# KiCad board PC110.kicad_pcb (continued)
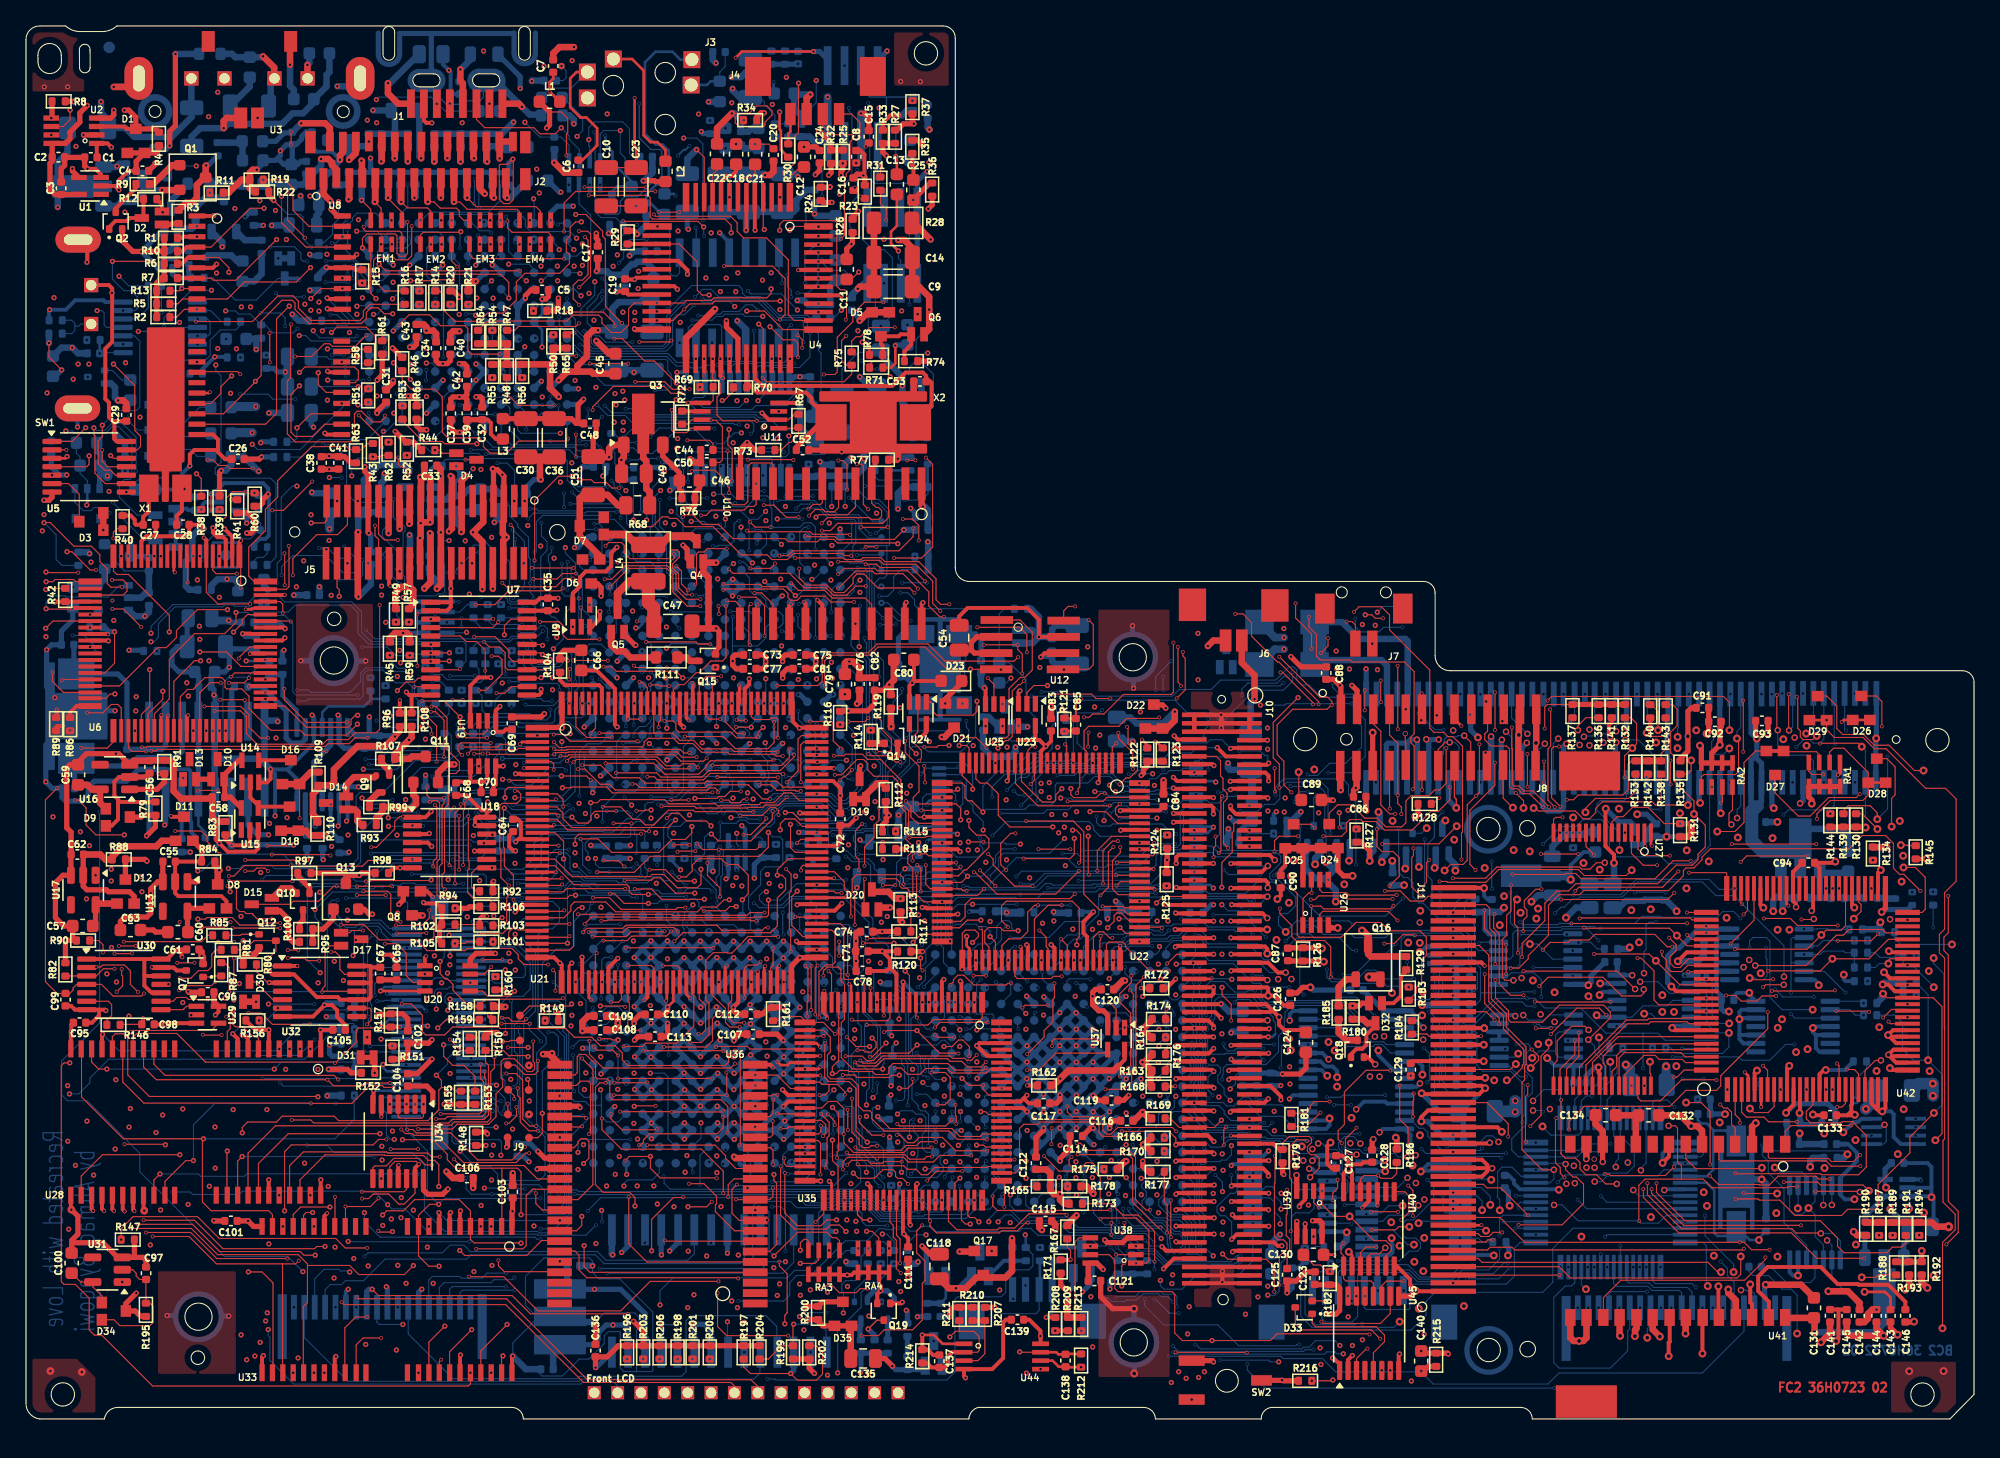
[diagram p0: board, top side]
## Routing (per net, layer and track width the routed paths; a pad name or vN(x,y) marks a point on that pad's centre or on a via; arc(x,y) is an arc through that point) (continued)
  BC1 w0.08: v7(111.19,34.05) 110.87,34.05 110.73,33.91 v7(109.12,33.91) ; v7(108.65,32.44) 108.65,30.16 108.59,30.1 v7(108.59,28.63) ; v7(108.57,25.02) 108.57,17.97 108.16,17.56 106.8,17.56 106.55,17.31 v2(106.55,14.81)
  BC2 w0.08: v7(108.65,32.44) 108.96,32.44 109.12,32.6 v7(109.12,33.91) ; v7(108.57,25.02) 108.49,25.1 108.49,26.26 108.59,26.36 v7(108.59,28.63)
Net-(U35-SA13): length 28.8
  FC2 w0.08: v3(73.92,27.07) 73.73,26.88 71.52,26.88 71.01,27.39 66.78,27.39 66.47,27.08 66.47,26.67 66.34,26.54 65.43,26.54 65.2,26.77 63.41,26.77 63.33,26.85 62.66,26.85 62.42,26.61 v1(62.11,26.61) 62.11,27.14 62.6,27.63 62.6,32.06 U35.23 ; U37.4 83.05,28.19 79.32,28.19 78.01,26.88 v3(77.12,26.88)
  FC1 w0.08: v3(77.12,26.88) 76.93,27.07 v3(73.92,27.07)
Net-(U38-Pad5): length 181.6
  FC2 w0.08: v3(42.73,62.53) 42.77,62.49 U9.2 ; v3(34.64,62.75) 36.11,62.75 37.18,63.82 41.15,63.82 v3(41.34,64.01) ; v3(80.8,8.52) 80.8,13.65 81.11,13.96 U38.5 ; v3(27.24,62.73) 27.24,53.15 26.97,52.88 25.35,52.88 24.82,52.35 23.22,52.35 22.87,52 17.81,52 16.98,52.83 16.98,54.12 16.53,54.57 v3(14.53,54.57)
  FC1 w0.08: v3(27.24,62.73) 27.26,62.75 v3(34.64,62.75) ; v1(7.94,22.49) 8.68,23.23 8.68,32.03 8.11,32.6 8.11,34.65 8.9,35.44 8.9,38.25 8.56,38.59 8.56,40.84 9.98,42.26 9.98,47.44 11.41,48.87 11.41,52.57 13.1,54.26 13.1,54.99 13.36,55.25 13.85,55.25 v3(14.53,54.57) ; v3(80.8,8.52) 78.64,8.52 77.06,6.94 v1(77.06,3.53) ; v3(42.73,62.53) 42,63.26 42,63.35 v3(41.34,64.01)
  BC1 w0.08: 77.05,3.53 v1(77.06,3.53) 76.28,2.75 11.12,2.75 7.94,5.93 v1(7.94,22.49)
Net-(U40A-C): length 45.1
  FC2 w0.08: v3(103.49,6.51) 103.44,6.56 96.36,6.56 95.84,6.04 v1(91.35,6.04) 89.07,6.04 88.48,6.63 88.48,9.61 88.28,9.81 84.12,9.81 83.87,10.06 83.87,12.23 83.44,12.66 U38.7 ; v3(99.58,16.28) 99.18,16.68 U39.2 ; U40.3 102.79,12.82 103.22,13.25 v3(104.02,13.25)
  FC1 w0.08: v3(99.58,16.28) 102.03,16.28 102.68,15.63 103.43,15.63 104.03,15.03 104.03,13.26 v3(104.02,13.25) 104.02,7.04 v3(103.49,6.51)
Net-(U40A-~{Q}): length 18.5
  FC2 w0.08: C125.2 97.14,12.74 97.34,12.94 97.34,13.86 97.07,14.13 97.07,15.73 97.14,15.8 v3(97.14,17.67) ; v3(99.83,17.56) 99.83,16.53 100.75,15.61 v2(101.96,15.61) 103.83,13.74 104.75,13.74 105.17,13.32 105.17,13 104.74,12.57 U40.6
  FC1 w0.08: v3(97.14,17.67) 99.72,17.67 v3(99.83,17.56)
Net-(U40B-~{Q}): length 11
  FC2 w0.08: v3(106.12,10.62) 104.78,10.62 104.44,10.28 104.44,9.46 ; U40.8 106.19,17.51 106.52,17.18 106.52,15.92 v3(105.94,15.34)
  FC1 w0.08: v3(106.12,10.62) 106.12,10.63 106.36,10.87 106.36,13.68 105.94,14.1 v3(105.94,15.34)
Net-(U41-Cext2): length 16.2
  FC2 w0.5: 138.96,7.47 138.96,6.61 v2(138.26,5.91) ; U41.20 125.3,6.9 v2(125.85,6.35)
  FC1 w0.5: v2(138.26,5.91) 138.14,5.79 126.41,5.79 v2(125.85,6.35)
Net-(U41-Cext3): length 23
  FC2 w0.3: U41.21 126.61,7.81 126.61,5.95 126.53,5.87 v2(126.53,4.84)
  FC2 w0.4: 143.61,7.47 143.61,7.04 v2(144.16,6.49)
  FC1 w0.3: v2(144.16,6.49) 143.31,5.64 139.95,5.64 138.63,4.32 127.05,4.32 v2(126.53,4.84)
Net-(U41-Cext4): length 18.7
  FC2 w0.5: v2(127.83,6.58) 127.83,7.8 U41.22 ; 141.23,7.47 141.62,7.47 141.88,7.73 141.88,8.1 142.22,8.44 v3(142.54,8.44)
  FC1 w0.5: v2(127.83,6.58) 129.1,7.85 141.95,7.85 v3(142.54,8.44)
Net-(U41-Cext5): length 17.3
  FC2 w0.3: 139.54,6.12 139.54,6.16 ; 139.54,6.12 139.61,6.19 139.61,8.38 139.57,8.42 ; 139.54,6.12 v2(139.42,6) ; 139.57,8.42 139.56,8.44 138.96,8.44 ; 139.57,8.42 139.58,8.44 140.24,8.44 ; U41.23 129.13,7.8 v2(129.13,5.04)
  FC1 w0.3: v2(129.13,5.04) 138.46,5.04 v2(139.42,6)
Net-(U41-Cext6): length 21.4
  FC2 w0.08: 145.39,7.47 v2(145.43,7.5)
  FC2 w0.3: v2(130.36,10.22) 130.36,7.86 U41.24
  FC2 w0.4: 144.76,7.47 145.39,7.47
  FC1 w0.3: v2(145.43,7.5) 145.43,8.07 141.91,11.59 138.3,11.59 136.99,10.28 135.31,10.28 134.5,11.09 132.43,11.09 131.87,10.53 130.67,10.53 v2(130.36,10.22)
Net-(U41-Cext7): length 14.2
  FC2 w0.5: v2(131.12,9.98) 131.12,9.72 131.7,9.14 U41.25 ; 141.23,8.44 141.23,8.95 140.34,9.84 v2(138.83,9.84)
  FC1 w0.5: v2(138.83,9.84) 137.96,8.97 132.13,8.97 v2(131.12,9.98)
Net-(U41-Cext8): length 15.7
  FC2 w0.2: v2(141.62,9.79) 143.19,9.79 143.61,9.37 143.61,8.44
  FC2 w0.3: U41.26 132.95,8.84 132.81,8.98 v2(132.81,10.37) ; 132.9,7.77 132.84,7.77
  FC1 w0.3: v2(141.62,9.79) 140.82,9.79 139.87,10.74 138.46,10.74 137.4,9.68 133.5,9.68 v2(132.81,10.37)
Net-(U41-Cext9): length 16.9
  FC2 w0.3: U41.27 134.25,9.03 133.42,9.86 133.42,10.98 134.15,11.71 138.24,11.71 139.55,10.4 141.1,10.4 141.16,10.34 143.45,10.34 144.76,9.03 144.76,8.44
Net-(U41-CS): length 33.5
  FC2 w0.08: U41.7 127.85,20.05 128.61,19.29 133.64,19.29 v2(133.71,19.36) ; U42.55 141.15,39.85 141.34,39.66 141.34,39.1 v2(140.79,38.55)
  IC2 w0.08: v2(133.71,19.36) 133.71,22.22 134.38,22.89 134.38,23.39 135.3,24.31 135.3,25.31 137.72,27.73 139.32,27.73 141.4,29.81 141.4,36.77 140.79,37.38 v2(140.79,38.55)
Net-(U41-PD): length 28.7
  FC2 w0.08: U41.4 131.65,22.42 131.37,22.7 131.37,23.65 131.06,23.96 130.77,23.96 v3(130.5,24.23) ; v3(131.65,36.2) 137.19,36.2 v2(138.29,37.3) 138.65,37.66 139.81,37.66 140.15,38 U42.57
  FC1 w0.08: v3(130.5,24.23) 130.33,24.4 130.33,25.72 130.57,25.96 130.57,31.62 130.9,31.95 131.36,31.95 131.65,32.24 v3(131.65,36.2)
Net-(U41-SCLK1): length 35.7
  FC2 w0.08: U41.5 130.4,20.01 130.58,19.83 130.64,19.89 138.65,19.89 139.06,19.48 141.28,19.48 v3(141.29,19.49)
  FC1 w0.08: v3(142.15,40.89) 142.37,40.67 142.37,34.38 141.66,33.67 ; 141.66,33.67 142.35,34.36 ; 141.66,33.67 141.66,24.93 142.26,24.33 142.26,20.46 v3(141.29,19.49)
Net-(U41-SI0): length 25.5
  FC2 w0.08: U41.1 135.5,22.15 135.96,22.61 v3(140.58,22.61)
  FC1 w0.08: v3(140.58,22.61) 140.41,22.78 140.41,23.84 140.85,24.28 140.85,28.45 140.61,28.69 140.61,35.34 139.2,36.75 139.2,39.62 139.26,39.68 139.26,40.78 v3(139.15,40.89)
Net-(U41-SI1): length 30
  FC2 w0.08: U41.2 134.2,20.19 134.31,20.08 138.82,20.08 139.06,19.84 140.77,19.84 v3(141.27,20.34)
  FC1 w0.08: v3(139.65,40.89) 140.02,40.52 140.02,37.21 141.3,35.94 141.3,24.64 141.12,24.46 141.12,23.8 141.57,23.35 141.57,20.64 v3(141.27,20.34)
Net-(U41-SO0): length 33.2
  FC2 w0.3: v4(137.54,39.16) 137.65,39.27 U42.62
  FC2 w0.4: v4(120.18,20.03) 120.19,20.04
  FC2 w0.5: U41.13 120.19,21.16 120.19,20.04
  IC4 w0.08: v4(120.18,20.03) 120.18,20.87 125.5,26.19 128.08,26.19 129.44,27.55 129.44,35.23 132.62,38.41 136.79,38.41 v4(137.54,39.16)
Net-(U41-SO1): length 49.5
  FC2 w0.08: U41.17 121.5,9.35 122.84,10.69 132.38,10.69 133.98,12.29 v3(133.98,12.45) ; v3(134.47,32.98) 139.28,32.98 v3(139.33,33.03)
  FC1 w0.08: v3(138.65,40.89) 138.65,40.66 139,40.31 139,36.44 139.74,35.7 139.74,34.92 139.33,34.51 v3(139.33,33.03) ; v3(133.98,12.45) 134.01,12.48 134.01,18.02 134.19,18.2 134.19,24.87 134.11,24.95 134.11,30.68 134.47,31.04 v3(134.47,32.98)
Net-(U42-C_EXT): length 4.4
  FC2 w0.08: v2(136.61,23.58) 136.55,23.64
  FC2 w0.3: U42.12 136.65,23.74 136.55,23.64
  BC2 w0.4: 138.33,22.81 138.22,22.69 136.76,22.69 R362.1 136.64,23.55 v2(136.61,23.58)
Net-(U42-IO0): length 31.3
  FC2 w0.08: v3(136.76,38.49) 137.67,38.49 v4(137.71,38.53)
  FC2 w0.2: U42.66 135.6,39.71 v3(135.75,39.56)
  FC1 w0.08: v3(135.75,39.56) 135.75,39.34 136.6,38.49 v3(136.76,38.49)
  BC1 w0.08: v7(145.96,18.39) 145.96,25.01 145.08,25.89 140.44,25.89 139.62,26.71 139.62,33.08 137.71,34.99 v4(137.71,38.53)
  BC2 w0.3: v7(145.96,18.39) 145.89,18.46 U65.1
Net-(U42-IORD): length 17.3
  FC1 w0.08: v2(148.35,36.57) 145.93,36.57 144.93,35.57 v3(144.93,34.96)
  BC1 w0.08: v7(140.83,36.87) 141.3,36.4 142.83,36.4 v7(143.94,37.51)
  BC2 w0.08: v7(143.94,37.51) 143.94,37.03 144.4,36.57 v2(148.35,36.57) ; U56.3 138.02,36.45 138.44,36.87 v7(140.83,36.87)
Net-(U42-IOWR): length 14.6
  FC2 w0.08: 144.93,35.46 143.57,35.46 143.45,35.34 v2(143.45,35.09)
  BC1 w0.08: v7(145.6,35.71) 144.95,35.06 143.48,35.06 v2(143.45,35.09) 142.93,35.09 142.38,34.54 142.38,33.5 141.74,32.86 v7(140.15,32.86)
  BC2 w0.08: U56.6 138.51,34.5 v7(140.15,32.86) ; R298.1 142.45,34.79 142.75,35.09 v2(143.45,35.09)
Net-(U42-RC_IN): length 7.3
  FC2 w0.08: v2(135.57,23.59) 135.57,23.64
  FC2 w0.3: 135.57,23.64 136.15,24.22 U42.11
  BC2 w0.4: v2(135.57,23.59) 136.27,24.29 138.8,24.29 139.33,23.76 R371.1
Net-(U44A-+): length 5.3
  FC2 w0.08: U44.3 73.32,4.49 73.86,5.03 R207.1
  FC2 w0.3: R207.1 R210.1
Net-(U44A--): length 9.9
  FC2 w0.08: R211.1 71.89,6.75 ; 71.89,6.75 71.59,6.75 v1(71.16,6.32) ; 71.89,6.75 73.01,6.75 73.42,6.34 73.42,5.27 73.29,5.14 U44.2
  FC2 w0.3: U44.2 71.32,5.14 71.03,4.85 71.03,4.23 70.77,3.97 C137.1 69.75,3.97 69.4,4.32 R214.1
Net-(U44B-+): length 4.4
  FC2 w0.3: v3(79.28,6.8) R209.1
  FC1 w0.08: v3(78.15,3.84) 79.28,4.97 v3(79.28,6.8)
Net-(U44B--): length 6.1
  FC2 w0.2: v3(81.27,3.99) 80.1,3.99 C138.1 79.55,4.02 79.08,4.49 U44.6
  FC1 w0.08: v3(81.27,3.99) 81.27,6.79 v3(81.28,6.8)
Net-(U45A-A): length 80.4
  FC2 w0.08: v3(64.06,19.63) 64.07,19.63 64.19,19.51 67.61,19.51 67.88,19.24 68.55,19.24 68.97,18.82 69.45,18.82 70.01,19.38 74.04,19.38 74.12,19.46 U35.78 ; v3(58.03,12.12) 58.03,11.79 58.63,11.19 58.63,8.22 58.62,8.21 58.62,8.16 58.45,7.99 v1(58.45,7.33)
  FC2 w0.3: U45.1 101.19,4.22 100.71,4.69 v1(100.64,4.69)
  FC1 w0.08: v3(64.06,19.63) 63.72,19.97 63.19,19.97 62.66,20.5 60.04,20.5 v3(60,20.46) 57.93,20.46 56.63,19.16 56.63,12.9 57.41,12.12 v3(58.03,12.12)
  IC3 w0.08: v1(58.45,7.33) 58.48,7.3 58.48,6.16 59.1,5.54 66.98,5.54 68.19,4.33 75.39,4.33 76.86,2.86 85.78,2.86 88.35,5.43 97.35,5.43 98.09,4.69 v1(100.64,4.69)
Net-(U45A-Cext): length 4.7
  FC2 w0.08: v3(100.79,12.63) 100.77,12.65
  FC2 w0.2: 100.77,12.65 C130.2
  FC1 w0.08: v3(100.79,12.63) 100.79,12.62 102.48,10.93 v3(102.48,9.46)
Net-(U45A-Q): length 4.2
  FC2 w0.08: v3(100,9.07) 99.97,9.1 D33.2
  FC1 w0.08: v3(103.14,9.46) 102.74,9.07 v3(100,9.07)
Net-(U45A-RCext): length 5
  FC2 w0.08: C130.1 99.19,11.86 99.71,11.86 100.21,11.36 v3(100.43,11.36)
  FC1 w0.08: v3(100.43,11.36) 101.83,9.96 v3(101.83,9.46)
Net-(U45B-B): length 13.8
  FC2 w0.08: U45.10 105.08,8.13 104.32,7.36 99.92,7.36 v3(99.78,7.5)
  FC1 w0.08: v3(99.18,14.06) 99.18,8.1 v3(99.78,7.5)
Net-(U45B-Q): length 9.8
  FC2 w0.08: U45.5 103.79,5.11 104.64,5.96 104.64,6.46 103.99,7.11 99.32,7.11 99.07,7.36 D33.1
Net-(U45B-RCext): length 3.7
  FC2 w0.08: v3(107.47,3.69) 107.66,3.69
  FC2 w0.4: 107.66,3.69 108.02,4.05 R215.1
  FC1 w0.08: v3(107.47,3.69) 105.14,3.69 v3(105.08,3.74)
Net-(U46-RB): length 56.9
  FC2 w0.08: R75.2 63.6,83.07 63.93,83.4 64.27,83.4 64.98,84.11 66.91,84.11 v3(66.92,84.12)
  FC1 w0.08: v1(65.71,101.03) 67.26,101.03 67.76,100.53 67.76,99.81 68.21,99.36 68.99,99.36 69.36,98.99 69.65,98.99 70.07,98.57 70.07,96.26 67.78,93.97 67.78,84.98 v3(66.92,84.12)
  BC1 w0.08: v7(61.01,89.81) 61,89.82 61,91.91 63.13,94.04 63.13,95.14 v7(63.09,95.18) ; v7(63.39,101.04) 65.7,101.04 v1(65.71,101.03) ; v7(53.9,81.4) 52.85,82.45 v7(52.85,82.93) ; v7(56.07,83.87) 56.52,83.87 56.87,84.22 56.87,84.46 57.21,84.8 57.21,85.87 58.09,86.75 59.43,86.75 v7(59.44,86.76)
  BC2 w0.08: v7(56.07,83.87) 56.08,83.86 56.08,81.6 55.98,81.5 54.27,81.5 54.17,81.4 v7(53.9,81.4) ; v7(59.44,86.76) 60.24,86.76 60.72,87.24 60.72,87.3 61.01,87.59 v7(61.01,89.81) ; v7(63.09,95.18) 63.62,95.71 63.62,100.55 63.39,100.78 v7(63.39,101.04)
Net-(U46-toBUFF): length 42.2
  FC2 w0.08: v3(58.08,84.72) 58.47,85.11 58.47,87.89 57.52,88.84 v3(53.77,88.84)
  FC1 w0.08: v3(58.08,84.72) 58.08,84.2 57.54,83.66 54.69,83.66 53.17,82.14 53.17,81.58 52.94,81.35 52.38,81.35 51.91,80.88 v3(51.91,79.52) ; v3(53.77,88.84) 51.31,88.84 49.76,90.39 49.76,97.81 v1(50.66,98.71)
  BC1 w0.08: v7(52.14,92.37) 51.61,92.37 51.58,92.34 v7(51.58,91.81)
  BC2 w0.08: 51.62,89.88 51.62,91.77 v7(51.58,91.81) 51.67,91.73 ; v7(52.14,92.37) 52.14,98.25 51.68,98.71 v1(50.66,98.71)
Net-(U47B-+): length 15.4
  FC2 w0.4: R27.1 R33.1 66,97.63 v1(66.28,97.35)
  BC1 w0.3: v9(65.58,95.56) 65.58,95.34 63.33,93.09 63.33,92 64.32,91.01 64.32,89.91 63.72,89.31 v9(62.37,89.31)
  BC2 w0.3: v9(65.58,95.56) 65.58,98.42 U47.5
  BC2 w0.4: v1(66.28,97.35) 65.61,98.03 U47.5
Net-(U49-A8): length 31
  BC1 w0.08: v7(49.41,85.53) 49.41,85.52 49.79,85.14 50.8,85.14 51.01,84.93 51.01,84.01 48.94,81.94 48.94,78.48 50.72,76.7 50.72,73.77 51.1,73.39 51.1,73.19 v7(52.19,72.1)
  BC2 w0.08: v7(49.41,85.53) 49.45,85.53 51.27,87.35 54.89,87.35 55.18,87.06 55.18,86.77 55.45,86.5 56.57,86.5 58.02,85.05 60.18,85.05 60.37,84.86 R219.2 ; U49.11 52.19,72.63 v7(52.19,72.1)
Net-(U49-B8): length 21.3
  BC1 w0.08: v7(59.56,79.74) 59.19,80.11 59.19,80.83 59.48,81.12 59.48,83.08 59.73,83.33 60.69,83.33 v1(62.8,85.44)
  BC2 w0.08: v7(59.56,79.74) 59.56,79 58.65,78.09 56.22,78.09 55.91,77.78 51.6,77.78 51.25,78.13 51.25,78.47 51.5,78.72 52.15,78.72 52.3,78.87 U49.14 ; v1(62.8,85.44) 62.22,84.86 R223.1
Net-(U49-DIR): length 125.6
  IC3 w0.08: v4(117.74,30.6) 102.63,30.6 101.18,32.05 95.98,32.05 95.71,31.78 94.14,31.78 93.47,32.45 91.62,32.45 88.61,29.44 85.23,29.44 83.94,28.15 72.79,28.15 72.69,28.05 71.52,28.05 71.34,28.23 64.6,28.23 63.98,28.85 63.2,28.85 62.18,29.87 v1(62.18,30.45)
  IC4 w0.08: v1(58.76,75.76) 59.86,74.66 59.86,64.63 60.18,64.31 60.18,56.63 60.58,56.23 60.58,45.44 59.9,44.76 59.39,44.76 58.22,45.93 57.79,45.93 57.63,45.77 57.63,45.2 58.6,44.23 58.6,39.25 58.85,39 60.72,39 62.18,37.54 v1(62.18,30.45)
  BC1 w0.08: v4(117.74,30.6) 117.74,29.24 118.13,28.85 119.03,28.85 119.19,29.01 119.86,29.01 120.3,28.57 v7(123,28.57) 125.23,28.57 v7(125.28,28.62)
  BC2 w0.08: 58.14,72.73 58.14,74.02 58.29,74.16 58.52,74.16 58.76,74.4 v1(58.76,75.76)
Net-(U49-G#): length 283
  FC2 w0.5: 5.96,69.83 v3(5.96,68.5)
  FC1 w0.08: v1(7.93,31.04) 7.63,31.34 7.63,33.86 7.36,34.13 6.83,34.13 6.45,33.75 5.25,33.75 4.8,34.2 4.8,35.22 5.54,35.96 5.54,40.11 5.9,40.47 5.9,42.66 5.55,43.01 5.55,49.93 5.96,50.34 5.96,68.5 v3(5.96,68.5)
  IC3 w0.08: v2(134.93,30.14) 133.82,31.25 131.71,31.25 131.41,30.95 130.89,30.95 128.42,28.48 116.93,28.48 116.85,28.4 116.26,28.4 115.76,28.9 114.04,28.9 113.32,28.18 107.73,28.18 106.85,29.07 102.89,29.07 100.28,31.68 96.26,31.68 95.97,31.39 91.75,31.39 88.61,28.25 87.29,28.25 86.15,27.11 73.14,27.11 73.12,27.13 72.95,27.13 72.43,27.65 69.78,27.65 69.77,27.66 69.72,27.66 69.54,27.84 64.17,27.84 63.54,28.47 56.43,28.47 56.34,28.56 44.47,28.56 44.21,28.82 44.21,28.83 43.65,29.39 42.42,29.39 41.98,29.83 v1(41.98,30.29) 41.49,30.78 28.91,30.78 27.88,29.75 26.94,29.75 26.12,30.57 12.96,30.57 12.49,31.04 v1(7.93,31.04)
  IC4 w0.08: v2(134.93,30.14) 134.17,29.38 134.17,11.63 136.42,9.38 v2(136.42,6.58)
  BC1 w0.08: v7(58.14,79.93) 58.07,80.01 53.66,80.01 53.32,80.35 52.86,80.35 52.64,80.13 52.64,79.61 53.02,79.23 v7(53.02,76.31) ; v1(41.98,30.29) 41.42,30.29 41.17,30.54 41.17,32.1 40.12,33.15 40.12,40.71 40.2,40.79 40.2,53.19 40.9,53.89 41.2,53.89 41.59,54.28 41.59,54.67 41.86,54.94 41.99,54.94 42.09,55.04 42.39,55.04 42.48,54.95 46.44,54.95 46.81,55.32 48.85,55.32 48.94,55.41 48.94,56.2 48.66,56.48 48.66,58.53 48.37,58.82 48.37,63.22 47.85,63.74 47.85,67.32 v7(47.87,67.34) ; v7(49.14,72.42) 49.14,72.44 48.69,72.89 48.69,73.41 v7(49,73.72) 48.98,73.74 48.32,73.74 48.1,73.96 v7(48.1,75.69)
  BC2 w0.08: 132.7,11.73 132.7,11.38 133.02,11.06 134.21,11.06 135.27,10 135.97,10 136.42,9.55 v2(136.42,6.58) ; v7(47.87,67.34) 48.09,67.56 48.09,68.74 48.27,68.92 48.27,71.77 48.67,72.17 48.89,72.17 v7(49.14,72.42) ; v7(53.02,76.31) 52.97,76.36 48.77,76.36 v7(48.1,75.69)
  BC2 w0.3: v7(49,73.72) 49.72,73.72 49.85,73.59 R258.2
Net-(U51-CASAH#): length 25.3
  FC2 w0.08: v3(32.9,87.79) 31.33,87.79 31.26,87.72 v1(29.62,87.72)
  FC1 w0.08: v3(32.9,87.79) 33.73,86.96 33.73,86.21 33.47,85.95 33.47,85.72 32.9,85.15 32.9,83.18 31.49,81.77 29.39,81.77 27.72,80.1 27.72,79.79 27.17,79.24 26.94,79.24 26.36,78.66 v3(26.36,78.35)
  BC1 w0.08: v7(36.36,89.54) 35.38,89.54 35.19,89.35 31.25,89.35 v1(29.62,87.72)
  BC2 w0.08: U51.J3 36.53,89.54 v7(36.36,89.54)
Net-(U51-CASAL#): length 24.4
  FC2 w0.08: v1(23.53,83.73) 23.94,84.14 26.21,84.14 26.9,83.45 26.9,81.69 26.61,81.4 R58.1 26.36,81.39
  IC2 w0.08: v1(28.28,87.6) 25.98,87.6 24.44,86.06 24.44,84.64 v1(23.53,83.73)
  BC1 w0.08: v7(37.69,90.67) 36.86,89.84 34.64,89.84 34.33,89.53 30.87,89.53 29.68,88.34 29.02,88.34 v1(28.28,87.6)
  BC2 w0.08: v7(37.69,90.67) 37.69,90.7 U51.K2
Net-(U51-CCLK): length 28.2
  IC1 w0.08: v1(46.21,71.54) 46.11,71.64 37.93,71.64 37.38,72.19 37.38,78.79 36.71,79.46 31.29,79.46 30.89,79.86 30.89,81.11 30.84,81.16 v1(30.84,81.37)
  BC2 w0.08: U51.E10 31.52,81.14 31.29,81.37 v1(30.84,81.37) ; v1(46.21,71.54) 45.71,72.04 45.71,72.83 46.21,73.33 R255.2
Net-(U51-FLM): length 13.5
  FC1 w0.08: v1(25.92,86.4) 25.92,85.18 26.54,84.56 30.19,84.56 v3(31.53,85.9)
  BC1 w0.08: v7(27.65,82.58) 26.5,82.58 25.92,83.16 v1(25.92,86.4)
  BC2 w0.08: v7(27.65,82.58) 27.71,82.52 U51.B9
Net-(U51-HSYNC): length 4.4
  FC1 w0.08: v3(29,78.07) 28.64,78.43 27.44,78.43 v1(27.04,78.83)
  BC1 w0.08: v1(27.04,78.83) 26.44,79.43 v7(26.44,80.13)
  BC2 w0.08: v7(26.44,80.13) U51.A10
Net-(U51-IO0): length 32.2
  FC1 w0.08: v1(18.01,93.88) 17.13,93.88 16.87,93.62 15.05,93.62 v3(14.17,94.5) 13.81,94.14 13.81,93.55 13.17,92.91 v3(13.17,91.91)
  IC1 w0.08: v1(39.1,94.03) 38.41,93.34 25.19,93.34 24.04,92.19 21.28,92.19 20.87,92.6 19.06,92.6 18.88,92.78 18.88,93.5 18.5,93.88 v1(18.01,93.88)
  BC2 w0.08: v1(39.1,94.03) 39.14,93.99 U51.L1
Net-(U51-IO1): length 30.4
  FC2 w0.3: R1.2 12.03,91.02 12.12,91.11 v3(13.17,91.11)
  FC1 w0.08: v3(13.17,91.11) 18.67,91.11 18.82,91.26 19.69,91.26 v1(20.06,90.89)
  BC1 w0.08: v1(20.06,90.89) 20.06,90.92 21.73,92.59 23.95,92.59 24.57,93.21 27.7,93.21 27.93,92.98 36.65,92.98 v7(36.98,92.65)
  BC2 w0.08: U51.K3 37.54,89.61 37.18,89.97 37.18,92.4 36.98,92.6 v7(36.98,92.65)
Net-(U51-IO2): length 38.8
  FC2 w0.08: v1(18.34,93.3) 17.25,93.3 14.26,90.31 U8.4
  FC2 w0.3: R10.2 12.05,89.99 12.37,90.31 U8.4
  IC1 w0.08: v1(39.54,94.48) 40.04,94.48 40.19,94.33 40.19,93.46 39.88,93.15 25.37,93.15 24.11,91.89 21.29,91.89 20.93,91.53 18.05,91.53 17.83,91.75 17.83,92.79 v1(18.34,93.3)
  BC1 w0.08: v7(39.11,90.91) 39.55,91.35 39.55,92.92 39.94,93.31 39.94,94.08 v1(39.54,94.48)
  BC2 w0.08: v7(39.11,90.91) U51.L2
Net-(U51-IO3): length 31
  FC2 w0.08: U8.5 14.85,89.51 15.63,88.73 v1(15.63,88.37)
  FC2 w0.3: U8.5 12.49,89.51 12.01,89.03 R6.2
  IC1 w0.08: v1(38.54,87.71) 37.96,87.13 37.96,86.44 37.34,85.82 32.8,85.82 30.26,88.37 16.52,88.37 16.47,88.41 15.67,88.41 v1(15.63,88.37)
  BC2 w0.08: U51.K4 38.5,87.71 v1(38.54,87.71)
Net-(U51-IO4): length 41.9
  FC2 w0.08: 11.68,87.91 R7.2 ; v1(19.3,90.89) 16.16,87.75 14.43,87.75 14.27,87.91 U8.7
  FC2 w0.3: U8.7 11.68,87.91
  BC1 w0.08: v7(39.23,89.78) 39.76,90.31 39.76,92.62 40.17,93.03 40.17,96.45 39.88,96.74 39.14,96.74 38.55,96.15 38.55,94.51 37.7,93.66 35.63,93.66 35.38,93.91 35.16,93.91 34.23,94.84 26.05,94.84 25.36,94.15 25.36,93.75 25.11,93.5 24.52,93.5 23.8,92.78 21.19,92.78 v1(19.3,90.89)
  BC2 w0.08: v7(39.23,89.78) 39.23,89.7 U51.L3
Net-(U51-IO5): length 36.7
  FC2 w0.08: R13.2 11.82,86.94 v1(12,87.12) 12.01,87.11 13.12,87.11
  IC3 w0.08: v1(40.93,88.84) 40.29,88.2 26.82,88.2 26.28,87.66 13.45,87.66 12.98,87.19 12.94,87.19 12.87,87.12 v1(12,87.12)
  BC1 w0.08: v7(40.98,92.05) 40.56,92.05 40.06,91.55 40.06,90.36 40.93,89.49 v1(40.93,88.84)
  BC2 w0.08: v7(40.98,92.05) 41.08,92.15 U51.N1
Net-(U51-IO6): length 32.8
  FC2 w0.08: v1(21.92,88.73) 21.92,88.72 20.82,87.62 16.83,87.62 15.52,86.31 U8.9 12.06,86.31 11.69,85.94 R5.2
  IC3 w0.08: v1(21.92,88.73) 22.5,89.31 26.25,89.31 27.13,90.19 40.99,90.19 v1(41.07,90.11)
  BC2 w0.08: U51.M2 41.07,90.22 v1(41.07,90.11)
Net-(U51-IO7): length 31.8
  FC2 w0.08: R2.2 11.6,84.91 12.2,85.51 v3(13.17,85.51)
  FC1 w0.08: v1(14.68,88.31) 13.8,88.31 13.17,87.68 v3(13.17,85.51)
  IC3 w0.08: v1(14.68,88.31) 14.83,88.31 15.3,87.84 24.8,87.84 25.34,88.38 36.57,88.38 v1(37.18,88.99)
  BC2 w0.08: v1(37.18,88.99) 38.75,88.99 39.14,88.6 U51.L4
Net-(U51-IO8): length 37.3
  FC2 w0.3: v1(23.21,85.56) 23.26,85.51 U8.31
  IC3 w0.08: v1(42.2,90.11) 41.68,90.11 41.54,89.97 41.54,87.79 40.69,86.94 25.28,86.94 23.9,85.56 v1(23.21,85.56)
  BC1 w0.08: v1(23.21,85.56) 23.62,85.97 23.62,86.55 23.23,86.94 23.23,87.26 23.36,87.39 23.36,87.78 23.19,87.95 22.15,87.95 21.41,87.21 v7(21.41,86.47) ; v7(18.52,81.98) 18.51,81.99 18.51,86 v7(19.26,86.75)
  BC2 w0.08: U51.N2 41.67,90.87 41.67,90.64 v1(42.2,90.11) ; v7(21.41,86.47) 19.54,86.47 v7(19.26,86.75)
Net-(U51-IO9): length 43
  FC2 w0.3: U8.32 23.28,86.31 v1(23.2,86.39)
  IC2 w0.08: v1(27.01,99.89) 27.01,99.76 25.47,98.22 25.47,93.62 24.41,92.56 24.41,87.6 v1(23.2,86.39)
  BC1 w0.08: v7(40.3,89.46) 38.96,89.46 38.8,89.62 38.8,91.59 38.46,91.93 37.69,91.93 37.48,92.14 37.48,92.9 37,93.38 35.58,93.38 35.33,93.63 v7(34.5,93.63) ; v7(34.59,95.52) 34.59,95.52 29.4,95.52 27.92,97 27.92,98.99 27.02,99.89 v1(27.01,99.89)
  BC2 w0.08: v1(23.2,86.39) 24.86,84.73 24.86,84.44 24.7,84.28 24.03,84.28 23.68,84.63 R259.1 ; v7(34.59,95.52) 34.54,95.47 34.54,93.67 v7(34.5,93.63) ; v7(40.3,89.46) 40.3,89.5 U51.M3
Net-(U51-IO10): length 49
  FC2 w0.08: v3(27.4,83.84) 27.44,83.8 R61.2 ; v1(21.94,86.34) 22.71,87.11 v3(24.37,87.11)
  FC1 w0.08: v3(24.37,87.11) 24.26,87 24.26,83.66 24.69,83.23 25.5,83.23 26.11,83.84 v3(27.4,83.84)
  IC1 w0.08: v1(21.94,86.34) 22.62,87.02 30.34,87.02 31.74,85.62 40.79,85.62 41.69,86.52 41.69,89.29 41.9,89.5 42.41,89.5 42.86,89.05 v1(42.86,88.9)
  BC1 w0.08: v7(44.39,87.89) 44.39,88.65 44.14,88.9 v1(42.86,88.9) ; v7(44.39,85.35) 43.79,85.35 43.64,85.5 39.56,85.5 39.47,85.41 38.65,85.41 37.84,86.22 37.84,86.79 v7(37.83,86.79)
  BC2 w0.08: v7(37.83,86.79) 37.83,87.03 U51.K5 ; v7(44.39,87.89) 44.74,87.54 44.74,85.7 v7(44.39,85.35)
Net-(U51-IO11): length 17.7
  FC2 w0.08: v1(37.19,86.38) 37.19,87.59 36.56,88.22 v3(27.07,88.22)
  FC1 w0.08: v3(39.09,85.39) 38.18,85.39 v1(37.19,86.38) ; v3(24.37,87.91) 26.76,87.91 v3(27.07,88.22)
  BC2 w0.08: v1(37.19,86.38) 37.19,86.4 36.6,86.99 U51.J5
Net-(U51-IO12): length 31.1
  FC2 w0.3: v1(25.47,89.74) 25.24,89.51 U8.36
  FC1 w0.08: v1(25.47,89.74) 25.47,90.41 26,90.94 28.24,90.94 28.55,90.63 28.55,90.16 27.69,89.3 27.69,88.22 27.01,87.54 v3(25.9,87.54)
  IC3 w0.08: v1(42.86,90.55) 43,90.69 43,91.33 42.84,91.49 42.03,91.49 41.18,90.64 27.23,90.64 26.33,89.74 v1(25.47,89.74)
  BC2 w0.08: v1(42.86,90.55) 42.86,90.06 42.41,89.61 U51.N3
Net-(U51-IO13): length 34.5
  FC2 w0.08: U8.37 21.56,90.31 19.69,92.18 19.69,93.3 v1(19.09,93.9)
  FC2 w0.4: R22.2 18.7,94.29 v1(19.09,93.9)
  IC4 w0.08: v1(39.69,87.71) 39.69,87.73 38.97,88.45 38.97,90.1 38.99,90.12 34.31,94.8 19.47,94.8 19.09,94.42 v1(19.09,93.9)
  BC2 w0.08: v1(39.69,87.71) 39.78,87.71 U51.M4
Net-(U51-IO14): length 78.5
  FC1 w0.08: v3(24.37,91.11) 23.98,91.5 12.97,91.5 12.75,91.28 12.75,85.26 12.97,85.04 13.62,85.04 14.9,86.32 15.97,86.32 v1(16.59,85.7)
  IC1 w0.08: v1(16.59,85.7) 15.99,85.7 15.18,86.51 15.18,88.65 16.81,90.28 23.25,90.28 24.91,91.94 39.22,91.94 40.37,93.09 40.37,94.9 40.74,95.27 41.47,95.27 43.38,93.36 43.38,86.75 v1(43.37,86.74)
  BC1 w0.08: v7(39.24,87) 39.96,87 40.12,87.16 40.54,87.16 40.71,86.99 41.8,86.99 42.03,87.22 42.89,87.22 v1(43.37,86.74) ; v1(16.59,85.7) 16.59,90.81 16.88,91.1 v7(16.88,92.65)
  BC2 w0.08: U51.L5 39.21,87 v7(39.24,87)
  BC2 w0.4: v7(16.88,92.65) 17.23,93 R233.1
Net-(U51-IO15): length 51.3
  FC2 w0.08: U8.39 21.8,91.91 20.57,93.14 20.57,94.85 19.92,95.5 v3(18.27,95.5)
  FC1 w0.08: v1(16.09,93.28) 16.8,92.57 18.58,92.57 18.79,92.78 18.79,93.45 18.54,93.7 18.54,94.39 18.27,94.66 v3(18.27,95.5)
  IC3 w0.08: v1(16.09,93.28) 17.18,93.28 17.81,92.65 21.14,92.65 23.52,95.03 42.73,95.03 43.5,94.26 43.5,88.61 43.53,88.58 43.22,88.27 v1(42.67,88.27)
  BC2 w0.08: U51.N4 42.6,88.34 v1(42.67,88.27)
Net-(U51-LP): length 19.7
  FC1 w0.08: v1(23.22,82.46) 26.2,82.46 26.72,81.94 30.81,81.94 32.7,83.83 32.7,85.2 33.2,85.7 33.2,86.12 32.81,86.51 31.41,86.51 30.8,85.9 v3(30.31,85.9)
  BC2 w0.08: U51.A9 25.97,82.46 v1(23.22,82.46)
Net-(U51-OEL#): length 8.8
  BC2 w0.08: R263.1 21.25,74.13 22.6,75.48 26.28,75.48 U51.B13
Net-(U51-P0): length 13
  FC2 w0.08: v1(26.96,86.34) 26.56,86.74 26.56,90.52 EM1.5
  BC1 w0.08: v1(26.96,86.34) 26.96,85.89 26.34,85.27 26.34,83.49 26.84,82.99 29.69,82.99 29.85,83.15 31.22,83.15 v7(31.47,83.4)
  BC2 w0.08: v7(31.47,83.4) 31.48,83.4 U51.E8
Net-(U51-P1): length 17.9
  FC1 w0.08: v3(27.36,90.52) 27.08,90.52 25.79,89.23 21.59,89.23 21.05,88.69 v1(21.05,83.49)
  BC2 w0.08: v1(21.05,83.49) 21.54,83.49 21.96,83.07 25.66,83.07 25.95,83.36 U51.A8
Net-(U51-P2): length 17.7
  FC1 w0.08: v3(28.18,90.52) 27.77,90.11 27.09,90.11 25.2,88.22 22.87,88.22 22.57,87.92 v1(22.57,86.07)
  BC1 w0.08: v7(23.07,87.6) 22.57,87.1 v1(22.57,86.07) ; v7(24.83,87.6) 24.85,87.62 27.17,87.62 27.78,87.01 v7(27.78,84.6)
  BC2 w0.08: v7(24.83,87.6) v7(23.07,87.6)
Net-(U51-P3): length 28.5
  FC2 w0.08: v3(26.01,91.88) 26.01,91.69 26.17,91.53 28.79,91.53 28.96,91.37 28.96,90.52
  FC1 w0.08: v3(26.01,91.88) 22.04,91.88 20.79,93.13 v1(19.22,93.13)
  BC1 w0.08: v7(23.12,89.23) 21.67,89.23 v7(21.66,89.22) ; v7(24.73,86.7) 25.35,87.32 v7(25.35,87.33) ; v1(19.22,93.13) 19.76,92.59 19.76,91.99 18.8,91.03 v7(18.8,90.34)
  BC2 w0.08: v7(23.12,89.23) 23.14,89.25 25.21,89.25 25.57,88.89 25.57,87.55 v7(25.35,87.33) ; U51.A7 25.49,84.53 24.73,85.29 v7(24.73,86.7) ; v7(18.8,90.34) 20.67,90.34 21.18,89.83 21.18,89.39 21.35,89.22 v7(21.66,89.22)
